# Altium PCB TwoFoot_PCB_m4T1Top2.PcbDoc (part 6 of 9) (continued)
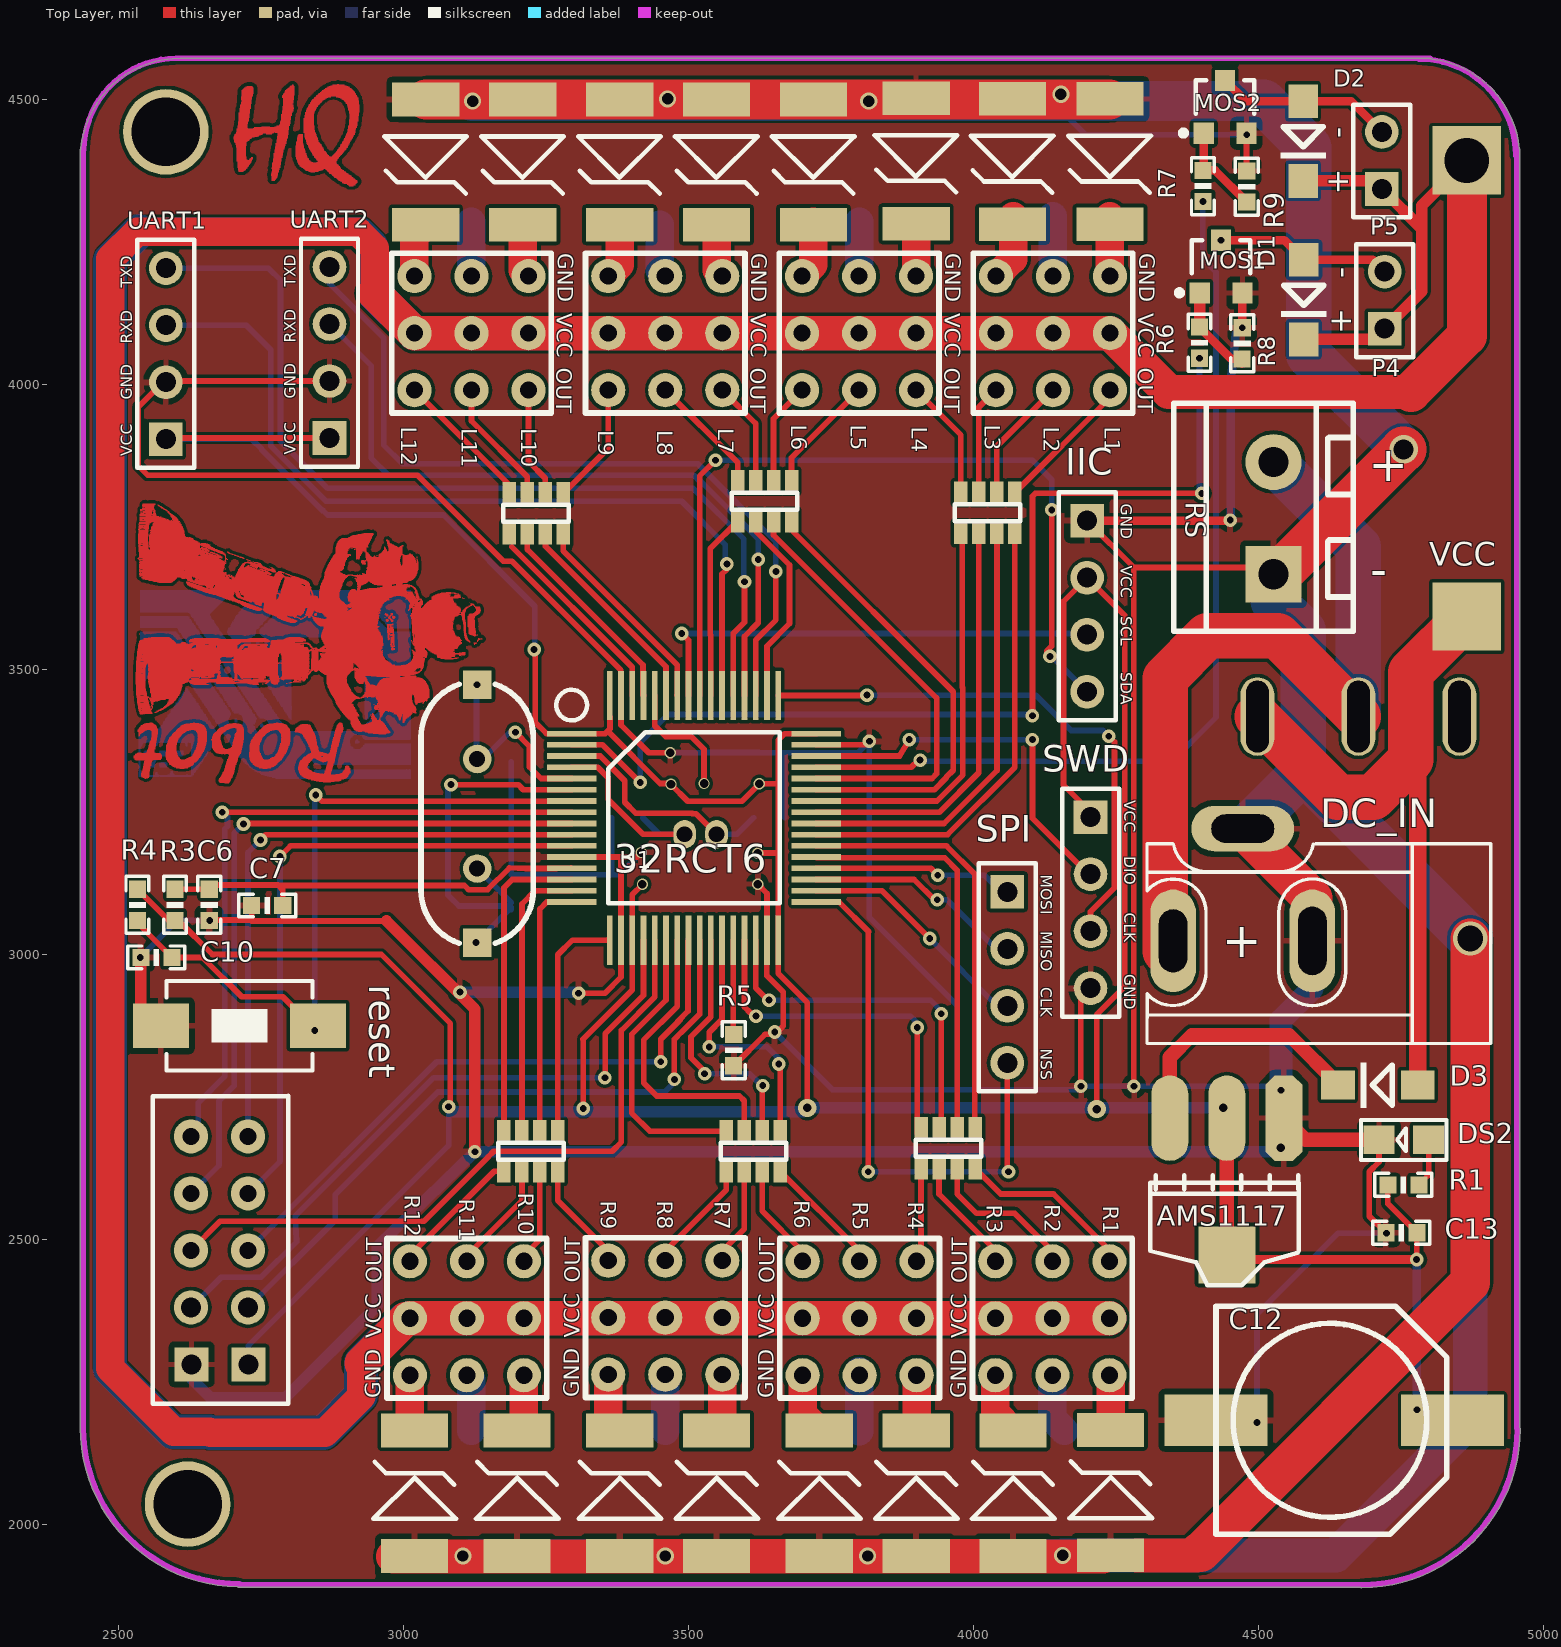
[diagram p0: Top Layer view]
## Nets (pads, with @x,y where several pads share a name; then routed paths per layer and width w, separated by ;. In a path a pad name is that pad's centre, name@x,y a point inside that pad or via, vN(x,y) a via of type N, cw(c..) or ccw(c..) an arc to the next point about the centre after c; other vN are vias at no path point) (continued)
3103.2,3551 ; 3103.2,3595.4 3103.2,3597.2 ; 3103.2,3597.8 3103.2,3600.8 ; 3103.8,3524.6 3103.8,3529.4 ; 3103.8,3593.6 3103.8,3594.2 ; 3103.8,3594.8 3103.8,3597.2 ; 3104.4,3524.6 3104.4,3529.4 ; 3104.4,3590.6 3104.4,3591.2 ; 3104.4,3593 3104.4,3601.4 ; 3104.4,3625.4 3104.4,3626 ; 3105,3524.6 3105,3530 ; 3105,3587.6 3105,3600.8 ; 3105,3625.4 3105,3626 ; 3105.6,3524.6 3105.6,3530 ; 3105.6,3584.6 3105.6,3603.8 ; 3105.6,3624.8 3105.6,3625.4 ; 3106.2,3525.2 3106.2,3530 ; 3106.2,3582.2 3106.2,3603.8 ; 3106.8,3525.2 3106.8,3530 ; 3106.8,3579.2 3106.8,3604.4 ; 3107.4,3525.2 3107.4,3530 ; 3107.4,3565.4 3107.4,3566 ; 3107.4,3567.8 3107.4,3605 ; 3107.4,3624.2 3107.4,3624.8 ; 3108,3525.2 3108,3530 ; 3108,3561.8 3108,3605.6 ; 3108.6,3525.8 3108.6,3530.6 ; 3108.6,3559.4 3108.6,3590.6 ; 3108.6,3596.6 3108.6,3606.2 ; 3109.2,3525.8 3109.2,3530 ; 3109.2,3555.8 3109.2,3584 ; 3109.2,3584.6 3109.2,3587 ; 3109.2,3600.8 3109.2,3604.4 ; 3109.2,3605 3109.2,3606.8 ; 3109.8,3554.6 3109.8,3582.8 ; 3109.8,3602.6 3109.8,3608 ; 3110.4,3553.4 3110.4,3563 ; 3110.4,3564.2 3110.4,3578 ; 3110.4,3604.4 3110.4,3608 ; 3111,3552.8 3111,3563.6 ; 3111,3605.6 3111,3608.6 ; 3111.6,3552.2 3111.6,3554.6 ; 3111.6,3555.2 3111.6,3560 ; 3111.6,3606.2 3111.6,3609.2 ; 3112.2,3551.6 3112.2,3553.4 ; 3112.2,3554.6 3112.2,3557.6 ; 3112.2,3607.4 3112.2,3609.2 ; 3112.8,3550.4 3112.8,3555.8 ; 3112.8,3608 3112.8,3609.8 ; 3113.4,3550.4 3113.4,3555.2 ; 3113.4,3608.6 3113.4,3609.8 ; 3114,3549.8 3114,3553.4 ; 3114,3608.6 3114,3610.4 ; 3114.6,3549.2 3114.6,3552.2 ; 3114.6,3575 3114.6,3593 ; 3114.6,3609.2 3114.6,3610.4 ; 3115.2,3549.2 3115.2,3551.6 ; 3115.2,3573.8 3115.2,3593 ; 3115.2,3609.8 3115.2,3610.4 ; 3115.8,3548.6 3115.8,3551 ; 3115.8,3562.4 3115.8,3564.2 ; 3115.8,3569.6 3115.8,3594.8 ; 3115.8,3609.8 3115.8,3611 ; 3116.4,3548.6 3116.4,3549.8 ; 3116.4,3562.4 3116.4,3596 ; 3116.4,3610.4 3116.4,3611.6 ; 3117,3548 3117,3549.2 ; 3117,3563 3117,3596.6 ; 3117,3610.4 3117,3611.6 ; 3117,3617.6 3117,3618.2 ; 3117.6,3548 3117.6,3548.6 ; 3117.6,3560.6 3117.6,3579.8 ; 3117.6,3580.4 3117.6,3597.8 ; 3117.6,3611 3117.6,3611.6 ; 3118.2,3562.4 3118.2,3597.2 ; 3118.2,3611 3118.2,3612.2 ; 3118.8,3561.2 3118.8,3597.2 ; 3118.8,3611.6 3118.8,3612.8 ; 3118.8,3615.8 3118.8,3616.4 ; 3119.4,3560.6 3119.4,3597.8 ; 3119.4,3611.6 3119.4,3613.4 ; 3119.4,3614.6 3119.4,3615.8 ; 3120,3560.6 3120,3597.8 ; 3120,3612.2 3120,3615.2 ; 3120.6,3560.6 3120.6,3597.8 ; 3120.6,3612.2 3120.6,3615.2 ; 3121.2,3560 3121.2,3560.6 ; 3121.2,3561.2 3121.2,3597.8 ; 3121.2,3612.8 3121.2,3615.2 ; 3121.8,3560 3121.8,3597.8 ; 3121.8,3612.8 3121.8,3615.2 ; 3122.4,3560 3122.4,3597.8 ; 3122.4,3613.4 3122.4,3615.2 ; 3123,3560 3123,3597.8 ; 3123,3613.4 3123,3615.2 ; 3123.6,3560 3123.6,3597.8 ; 3123.6,3614 3123.6,3614.6 ; 3124.2,3559.4 3124.2,3563.6 ; 3124.2,3564.2 3124.2,3598.4 ; 3124.2,3612.8 3124.2,3613.4 ; 3124.8,3546.2 3124.8,3546.8 ; 3124.8,3559.4 3124.8,3561.2 ; 3124.8,3561.8 3124.8,3564.8 ; 3124.8,3565.4 3124.8,3599 ; 3124.8,3612.2 3124.8,3613.4 ; 3125.4,3543.8 3125.4,3545 ; 3125.4,3546.2 3125.4,3546.8 ; 3125.4,3558.2 3125.4,3586.4 ; 3125.4,3591.2 3125.4,3599 ; 3125.4,3611 3125.4,3612.2 ; 3126,3544.4 3126,3546.8 ; 3126,3558.2 3126,3575 ; 3126,3576.2 3126,3581.6 ; 3126,3593 3126,3599.6 ; 3126,3610.4 3126,3611.6 ; 3126.6,3545 3126.6,3546.8 ; 3126.6,3558.2 3126.6,3560.6 ; 3126.6,3561.2 3126.6,3562.4 ; 3126.6,3563.6 3126.6,3572.6 ; 3126.6,3593.6 3126.6,3600.2 ; 3126.6,3609.8 3126.6,3611 ; 3127.2,3545.6 3127.2,3546.8 ; 3127.2,3558.8 3127.2,3560.6 ; 3127.2,3561.2 3127.2,3562.4 ; 3127.2,3564.2 3127.2,3567.8 ; 3127.2,3594.2 3127.2,3600.8 ; 3127.2,3608.6 3127.2,3609.8 ; 3127.8,3545.6 3127.8,3546.2 ; 3127.8,3558.8 3127.8,3560.6 ; 3127.8,3561.2 3127.8,3562.4 ; 3127.8,3564.2 3127.8,3566.6 ; 3127.8,3594.2 3127.8,3601.4 ; 3127.8,3608 3127.8,3609.8 ; 3128.4,3545.6 3128.4,3546.2 ; 3128.4,3558.8 3128.4,3560 ; 3128.4,3560.6 3128.4,3561.2 ; 3128.4,3594.8 3128.4,3602 ; 3128.4,3606.8 3128.4,3609.8 ; 3129,3595.4 3129,3602.6 ; 3129,3606.8 3129,3609.8 ; 3129.6,3546.2 3129.6,3546.8 ; 3129.6,3595.4 3129.6,3605.6 ; 3129.6,3606.8 3129.6,3609.8 ; 3130.2,3596 3130.2,3609.8 ; 3130.8,3548.6 3130.8,3549.2 ; 3130.8,3596 3130.8,3609.8 ; 3131.4,3548.6 3131.4,3551 ; 3131.4,3560 3131.4,3560.6 ; 3131.4,3596.6 3131.4,3597.2 ; 3131.4,3597.8 3131.4,3609.8 ; 3132,3550.4 3132,3552.2 ; 3132,3597.2 3132,3609.8 ; 3132.6,3551 3132.6,3554 ; 3132.6,3597.8 3132.6,3609.8 ; 3133.2,3552.2 3133.2,3554.6 ; 3133.2,3598.4 3133.2,3609.8 ; 3133.8,3552.8 3133.8,3554.6 ; 3133.8,3598.4 3133.8,3600.8 ; 3133.8,3602 3133.8,3609.8 ; 3134.4,3552.2 3134.4,3554 ; 3134.4,3599 3134.4,3609.8 ; 3135,3552.8 3135,3554 ; 3135,3600.2 3135,3608.6 ; 3135.6,3552.8 3135.6,3554 ; 3135.6,3603.2 3135.6,3607.4 ; 3136.2,3552.8 3136.2,3554 ; 3136.2,3603.2 3136.2,3604.4 ; 3136.8,3552.8 3136.8,3554 ; 3136.8,3554.6 3136.8,3555.2 ; 3137.4,3552.8 3137.4,3554 ; 3137.4,3554.6 3137.4,3555.2 ; 3138,3552.8 3138,3554 ; 3138.6,3552.8 3138.6,3554 ; 3139.2,3552.8 3139.2,3554
  Top Layer w1: 2528,3345 2577,3345 ; 2528,3346 2577,3346 ; 2528,3347 2577,3347 ; 2528,3348 2577,3348 ; 2528,3349 2577,3349 ; 2529,3343 2575,3343 ; 2529,3344 2576,3344 ; 2529,3350 2577,3350 ; 2530,3351 2576,3351 ; 2531,3342 2562,3342 ; 2531,3352 2575,3352 ; 2534,3353 2574,3353 ; 2535,3354 2541,3354 ; 2535,3392 2546,3392 ; 2535,3393 2548,3393 ; 2535,3394 2550,3394 ; 2536,3384 2537,3384 ; 2536,3385 2538,3385 ; 2536,3386 2538,3386 ; 2536,3387 2539,3387 ; 2536,3388 2540,3388 ; 2536,3389 2542,3389 ; 2536,3390 2543,3390 ; 2536,3391 2544,3391 ; 2536,3395 2570,3395 ; 2536,3396 2569,3396 ; 2537,3397 2569,3397 ; 2537,3398 2568,3398 ; 2538,3399 2568,3399 ; 2539,3400 2568,3400 ; 2540,3401 2567,3401 ; 2541,3314 2555,3314 ; 2541,3315 2555,3315 ; 2541,3316 2555,3316 ; 2541,3317 2555,3317 ; 2541,3318 2555,3318 ; 2541,3402 2566,3402 ; 2542,3312 2554,3312 ; 2542,3313 2555,3313 ; 2542,3319 2555,3319 ; 2542,3320 2555,3320 ; 2542,3321 2555,3321 ; 2542,3322 2556,3322 ; 2543,3323 2556,3323 ; 2543,3324 2556,3324 ; 2543,3325 2556,3325 ; 2543,3326 2556,3326 ; 2543,3403 2565,3403 ; 2544,3311 2554,3311 ; 2544,3327 2557,3327 ; 2544,3328 2557,3328 ; 2544,3329 2557,3329 ; 2544,3330 2557,3330 ; 2544,3404 2564,3404 ; 2545,3331 2557,3331 ; 2545,3332 2558,3332 ; 2545,3333 2558,3333 ; 2545,3334 2558,3334 ; 2545,3335 2558,3335 ; 2546,3310 2552,3310 ; 2546,3336 2558,3336 ; 2546,3337 2558,3337 ; 2546,3338 2559,3338 ; 2546,3339 2559,3339 ; 2546,3405 2563,3405 ; 2547,3340 2560,3340 ; 2547,3341 2560,3341 ; 2548,3309 2549,3309 ; 2549,3354 2565,3354 ; 2549,3406 2561,3406 ; 2550,3355 2564,3355 ; 2550,3356 2564,3356 ; 2551,3357 2564,3357 ; 2551,3358 2564,3358 ; 2552,3359 2564,3359 ; 2552,3360 2564,3360 ; 2553,3361 2565,3361 ; 2553,3362 2565,3362 ; 2553,3363 2565,3363 ; 2554,3364 2565,3364 ; 2554,3365 2565,3365 ; 2554,3366 2566,3366 ; 2554,3367 2566,3367 ; 2555,3368 2566,3368 ; 2555,3369 2566,3369 ; 2555,3370 2566,3370 ; 2556,3371 2566,3371 ; 2556,3372 2567,3372 ; 2556,3373 2567,3373 ; 2556,3407 2558,3407 ; 2557,3374 2567,3374 ; 2557,3375 2567,3375 ; 2557,3394 2570,3394 ; 2558,3376 2567,3376 ; 2558,3377 2568,3377 ; 2558,3378 2568,3378 ; 2558,3379 2568,3379 ; 2558,3380 2568,3380 ; 2558,3393 2570,3393 ; 2559,3381 2568,3381 ; 2559,3382 2569,3382 ; 2559,3383 2569,3383 ; 2559,3384 2569,3384 ; 2559,3385 2569,3385 ; 2559,3386 2569,3386 ; 2559,3387 2570,3387 ; 2559,3388 2570,3388 ; 2559,3389 2570,3389 ; 2559,3390 2570,3390 ; 2559,3391 2570,3391 ; 2559,3392 2570,3392 ; 2559,3407 2560,3407 ; 2584,3347 2606,3347 ; 2584,3348 2606,3348 ; 2584,3349 2605,3349 ; 2584,3350 2605,3350 ; 2584,3351 2604,3351 ; 2584,3352 2604,3352 ; 2584,3353 2604,3353 ; 2584,3354 2603,3354 ; 2584,3355 2603,3355 ; 2585,3343 2610,3343 ; 2585,3344 2608,3344 ; 2585,3345 2607,3345 ; 2585,3346 2607,3346 ; 2585,3356 2603,3356 ; 2585,3357 2602,3357 ; 2585,3358 2602,3358 ; 2585,3359 2602,3359 ; 2585,3360 2602,3360 ; 2585,3361 2602,3361 ; 2585,3362 2602,3362 ; 2585,3363 2602,3363 ; 2585,3364 2602,3364 ; 2585,3365 2602,3365 ; 2585,3366 2602,3366 ; 2585,3367 2602,3367 ; 2585,3368 2602,3368 ; 2586,3341 2639,3341 ; 2586,3342 2612,3342 ; 2586,3369 2603,3369 ; 2586,3370 2603,3370 ; 2586,3371 2603,3371 ; 2587,3339 2637,3339 ; 2587,3340 2638,3340 ; 2587,3372 2603,3372 ; 2587,3373 2604,3373 ; 2587,3374 2604,3374 ; 2588,3338 2636,3338 ; 2588,3375 2605,3375 ; 2588,3376 2605,3376 ; 2589,3337 2634,3337 ; 2589,3377 2605,3377 ; 2589,3378 2606,3378 ; 2590,3335 2633,3335 ; 2590,3336 2633,3336 ; 2590,3379 2606,3379 ; 2590,3380 2607,3380 ; 2591,3334 2632,3334 ; 2591,3381 2607,3381 ; 2592,3382 2608,3382 ; 2593,3333 2631,3333 ; 2593,3383 2609,3383 ; 2594,3332 2630,3332 ; 2594,3384 2610,3384 ; 2594,3385 2611,3385 ; 2595,3331 2628,3331 ; 2595,3386 2612,3386 ; 2596,3387 2613,3387 ; 2597,3330 2627,3330 ; 2597,3388 2614,3388 ; 2598,3389 2615,3389 ; 2599,3329 2625,3329 ; 2599,3390 2617,3390 ; 2600,3391 2618,3391 ; 2601,3392 2620,3392 ; 2602,3328 2622,3328 ; 2602,3393 2624,3393 ; 2603,3394 2628,3394 ; 2604,3395 2655,3395 ; 2605,3396 2654,3396 ; 2606,3397 2654,3397 ; 2607,3398 2653,3398 ; 2608,3327 2616,3327 ; 2608,3399 2653,3399 ; 2609,3400 2652,3400 ; 2610,3401 2651,3401 ; 2612,3402 2650,3402 ; 2613,3342 2640,3342 ; 2614,3403 2649,3403 ; 2616,3404 2647,3404 ; 2618,3343 2641,3343 ; 2619,3405 2645,3405 ; 2621,3344 2642,3344 ; 2623,3345 2642,3345 ; 2625,3346 2643,3346 ; 2627,3406 2642,3406 ; 2628,3347 2644,3347 ; 2629,3348 2644,3348 ; 2630,3349 2645,3349 ; 2631,3350 2646,3350 ; 2631,3351 2646,3351 ; 2632,3352 2647,3352 ; 2632,3407 2635,3407 ; 2633,3353 2648,3353 ; 2633,3354 2648,3354 ; 2634,3355 2649,3355 ; 2634,3356 2649,3356 ; 2634,3394 2655,3394 ; 2635,3357 2650,3357 ; 2635,3358 2650,3358 ; 2636,3359 2651,3359 ; 2636,3360 2651,3360 ; 2636,3361 2652,3361 ; 2636,3393 2655,3393 ; 2637,3362 2652,3362 ; 2637,3363 2652,3363 ; 2637,3364 2653,3364 ; 2637,3392 2656,3392 ; 2638,3365 2653,3365 ; 2638,3366 2653,3366 ; 2638,3367 2654,3367 ; 2638,3391 2656,3391 ; 2639,3368 2654,3368 ; 2639,3369 2654,3369 ; 2639,3370 2655,3370 ; 2639,3371 2655,3371 ; 2639,3389 2656,3389 ; 2639,3390 2656,3390 ; 2640,3372 2655,3372 ; 2640,3373 2655,3373 ; 2640,3374 2656,3374 ; 2640,3375 2656,3375 ; 2640,3376 2656,3376 ; 2640,3377 2656,3377 ; 2640,3378 2656,3378 ; 2640,3379 2656,3379 ; 2640,3380 2656,3380 ; 2640,3383 2656,3383 ; 2640,3384 2656,3384 ; 2640,3385 2656,3385 ; 2640,3386 2656,3386 ; 2640,3387 2656,3387 ; 2640,3388 2656,3388 ; 2641,3381 2656,3381 ; 2641,3382 2656,3382 ; 2664,3377 2679,3377 ; 2664,3378 2679,3378 ; 2665,3364 2684,3364 ; 2665,3365 2684,3365 ; 2665,3366 2683,3366 ; 2665,3367 2683,3367 ; 2665,3368 2682,3368 ; 2665,3369 2682,3369 ; 2665,3370 2682,3370 ; 2665,3371 2681,3371 ; 2665,3372 2681,3372 ; 2665,3373 2681,3373 ; 2665,3374 2680,3374 ; 2665,3375 2680,3375 ; 2665,3376 2680,3376 ; 2665,3379 2679,3379 ; 2665,3380 2679,3380 ; 2665,3381 2679,3381 ; 2665,3382 2679,3382 ; 2666,3362 2686,3362 ; 2666,3363 2685,3363 ; 2666,3383 2679,3383 ; 2666,3384 2680,3384 ; 2667,3360 2717,3360 ; 2667,3361 2687,3361 ; 2667,3385 2680,3385 ; 2667,3386 2681,3386 ; 2668,3359 2716,3359 ; 2668,3387 2682,3387 ; 2669,3358 2716,3358 ; 2669,3388 2683,3388 ; 2670,3357 2716,3357 ; 2670,3389 2684,3389 ; 2671,3356 2716,3356 ; 2671,3390 2685,3390 ; 2672,3355 2715,3355 ; 2672,3391 2686,3391 ; 2673,3354 2715,3354 ; 2673,3392 2688,3392 ; 2674,3393 2689,3393 ; 2675,3394 2691,3394 ; 2676,3395 2693,3395 ; 2677,3305 2697,3305 ; 2677,3306 2697,3306 ; 2677,3307 2698,3307 ; 2677,3353 2715,3353 ; 2677,3396 2695,3396 ; 2678,3303 2695,3303 ; 2678,3304 2696,3304 ; 2678,3308 2698,3308 ; 2678,3309 2699,3309 ; 2678,3397 2697,3397 ; 2679,3302 2695,3302 ; 2679,3310 2699,3310 ; 2679,3311 2700,3311 ; 2679,3398 2700,3398 ; 2680,3312 2700,3312 ; 2681,3313 2700,3313 ; 2681,3314 2701,3314 ; 2681,3399 2720,3399 ; 2682,3315 2701,3315 ; 2682,3352 2683,3352 ; 2683,3316 2702,3316 ; 2683,3317 2702,3317 ; 2684,3318 2703,3318 ; 2684,3319 2703,3319 ; 2684,3320 2703,3320 ; 2684,3400 2719,3400 ; 2685,3321 2704,3321 ; 2686,3322 2704,3322 ; 2686,3323 2704,3323 ; 2686,3324 2704,3324 ; 2686,3352 2688,3352 ; 2686,3401 2718,3401 ; 2687,3301 2694,3301 ; 2687,3325 2705,3325 ; 2687,3326 2705,3326 ; 2687,3327 2705,3327 ; 2688,3328 2705,3328 ; 2688,3329 2706,3329 ; 2688,3330 2706,3330 ; 2688,3331 2706,3331 ; 2688,3402 2718,3402 ; 2689,3332 2706,3332 ; 2689,3333 2706,3333 ; 2690,3334 2707,3334 ; 2690,3335 2707,3335 ; 2690,3336 2707,3336 ; 2690,3403 2717,3403 ; 2691,3337 2708,3337 ; 2691,3338 2708,3338 ; 2691,3339 2709,3339 ; 2692,3340 2709,3340 ; 2692,3341 2709,3341 ; 2692,3342 2710,3342 ; 2692,3343 2710,3343 ; 2692,3404 2715,3404 ; 2693,3344 2710,3344 ; 2693,3345 2710,3345 ; 2693,3352 2714,3352 ; 2693,3361 2717,3361 ; 2694,3346 2711,3346 ; 2694,3347 2711,3347 ; 2694,3348 2711,3348 ; 2695,3349 2712,3349 ; 2695,3350 2713,3350 ; 2695,3351 2714,3351 ; 2695,3405 2713,3405 ; 2696,3362 2717,3362 ; 2698,3363 2717,3363 ; 2699,3364 2718,3364 ; 2700,3365 2718,3365 ; 2700,3366 2718,3366 ; 2700,3367 2718,3367 ; 2701,3368 2719,3368 ; 2701,3369 2719,3369 ; 2701,3370 2719,3370 ; 2701,3371 2719,3371 ; 2701,3372 2720,3372 ; 2701,3406 2707,3406 ; 2702,3373 2720,3373 ; 2702,3374 2720,3374 ; 2702,3375 2720,3375 ; 2703,3376 2720,3376 ; 2703,3377 2720,3377 ; 2703,3378 2721,3378 ; 2704,3379 2721,3379 ; 2704,3380 2721,3380 ; 2704,3381 2721,3381 ; 2705,3382 2721,3382 ; 2705,3383 2721,3383 ; 2705,3384 2721,3384 ; 2705,3385 2721,3385 ; 2705,3386 2721,3386 ; 2706,3387 2721,3387 ; 2706,3388 2721,3388 ; 2706,3398 2720,3398 ; 2707,3389 2721,3389 ; 2707,3390 2721,3390 ; 2708,3391 2721,3391 ; 2708,3392 2721,3392 ; 2708,3393 2721,3393 ; 2708,3394 2721,3394 ; 2708,3395 2721,3395 ; 2708,3396 2721,3396 ; 2708,3397 2720,3397 ; 2730,3347 2752,3347 ; 2730,3348 2752,3348 ; 2730,3349 2751,3349 ; 2730,3350 2751,3350 ; 2730,3351 2750,3351 ; 2730,3352 2750,3352 ; 2730,3353 2750,3353 ; 2730,3354 2749,3354 ; 2730,3355 2749,3355 ; 2731,3343 2756,3343 ; 2731,3344 2754,3344 ; 2731,3345 2753,3345 ; 2731,3346 2753,3346 ; 2731,3356 2749,3356 ; 2731,3357 2748,3357 ; 2731,3358 2748,3358 ; 2731,3359 2748,3359 ; 2731,3360 2748,3360 ; 2731,3361 2748,3361 ; 2731,3362 2748,3362 ; 2731,3363 2748,3363 ; 2731,3364 2748,3364 ; 2731,3365 2748,3365 ; 2731,3366 2748,3366 ; 2731,3367 2748,3367 ; 2731,3368 2748,3368 ; 2732,3341 2785,3341 ; 2732,3342 2758,3342 ; 2732,3369 2749,3369 ; 2732,3370 2749,3370 ; 2732,3371 2749,3371 ; 2733,3339 2783,3339 ; 2733,3340 2784,3340 ; 2733,3372 2749,3372 ; 2733,3373 2750,3373 ; 2733,3374 2750,3374 ; 2734,3338 2782,3338 ; 2734,3375 2751,3375 ; 2734,3376 2751,3376 ; 2735,3337 2780,3337 ; 2735,3377 2751,3377 ; 2735,3378 2752,3378 ; 2736,3335 2779,3335 ; 2736,3336 2779,3336 ; 2736,3379 2752,3379 ; 2736,3380 2753,3380 ; 2737,3334 2778,3334 ; 2737,3381 2753,3381 ; 2738,3382 2754,3382 ; 2739,3333 2777,3333 ; 2739,3383 2755,3383 ; 2740,3332 2776,3332 ; 2740,3384 2756,3384 ; 2740,3385 2757,3385 ; 2741,3331 2774,3331 ; 2741,3386 2758,3386 ; 2742,3387 2759,3387 ; 2743,3330 2773,3330 ; 2743,3388 2760,3388 ; 2744,3389 2761,3389 ; 2745,3329 2771,3329 ; 2745,3390 2763,3390 ; 2746,3391 2764,3391 ; 2747,3392 2766,3392 ; 2748,3328 2768,3328 ; 2748,3393 2770,3393 ; 2749,3394 2774,3394 ; 2750,3395 2801,3395 ; 2751,3396 2800,3396 ; 2752,3397 2800,3397 ; 2753,3398 2799,3398 ; 2754,3327 2762,3327 ; 2754,3399 2799,3399 ; 2755,3400 2798,3400 ; 2756,3401 2797,3401 ; 2758,3402 2796,3402 ; 2759,3342 2786,3342 ; 2760,3403 2795,3403 ; 2762,3404 2793,3404 ; 2764,3343 2787,3343 ; 2765,3405 2791,3405 ; 2767,3344 2788,3344 ; 2769,3345 2788,3345 ; 2771,3346 2789,3346 ; 2773,3406 2788,3406 ; 2774,3347 2790,3347 ; 2775,3348 2790,3348 ; 2776,3349 2791,3349 ; 2777,3350 2792,3350 ; 2777,3351 2792,3351 ; 2778,3352 2793,3352 ; 2778,3407 2781,3407 ; 2779,3353 2794,3353 ; 2779,3354 2794,3354 ; 2780,3355 2795,3355 ; 2780,3356 2795,3356 ; 2780,3394 2801,3394 ; 2781,3357 2796,3357 ; 2781,3358 2796,3358 ; 2782,3359 2797,3359 ; 2782,3360 2797,3360 ; 2782,3361 2798,3361 ; 2782,3393 2801,3393 ; 2783,3362 2798,3362 ; 2783,3363 2798,3363 ; 2783,3364 2799,3364 ; 2783,3392 2802,3392 ; 2784,3365 2799,3365 ; 2784,3366 2799,3366 ; 2784,3367 2800,3367 ; 2784,3391 2802,3391 ; 2785,3368 2800,3368 ; 2785,3369 2800,3369 ; 2785,3370 2801,3370 ; 2785,3371 2801,3371 ; 2785,3389 2802,3389 ; 2785,3390 2802,3390 ; 2786,3372 2801,3372 ; 2786,3373 2801,3373 ; 2786,3374 2802,3374 ; 2786,3375 2802,3375 ; 2786,3376 2802,3376 ; 2786,3377 2802,3377 ; 2786,3378 2802,3378 ; 2786,3379 2802,3379 ; 2786,3380 2802,3380 ; 2786,3383 2802,3383 ; 2786,3384 2802,3384 ; 2786,3385 2802,3385 ; 2786,3386 2802,3386 ; 2786,3387 2802,3387 ; 2786,3388 2802,3388 ; 2787,3381 2802,3381 ; 2787,3382 2802,3382 ; 2810,3392 2842,3392 ; 2811,3391 2843,3391 ; 2811,3393 2842,3393 ; 2811,3394 2842,3394 ; 2812,3395 2841,3395 ; 2812,3396 2840,3396 ; 2812,3397 2840,3397 ; 2813,3398 2839,3398 ; 2814,3399 2839,3399 ; 2815,3400 2838,3400 ; 2816,3325 2835,3325 ; 2816,3326 2834,3326 ; 2816,3327 2833,3327 ; 2816,3328 2832,3328 ; 2816,3329 2832,3329 ; 2817,3322 2840,3322 ; 2817,3323 2838,3323 ; 2817,3324 2836,3324 ; 2817,3330 2832,3330 ; 2817,3331 2832,3331 ; 2817,3332 2833,3332 ; 2817,3333 2833,3333 ; 2817,3390 2843,3390 ; 2817,3401 2838,3401 ; 2818,3320 2845,3320 ; 2818,3321 2842,3321 ; 2818,3334 2834,3334 ; 2818,3335 2834,3335 ; 2818,3336 2835,3336 ; 2819,3318 2853,3318 ; 2819,3319 2848,3319 ; 2819,3337 2836,3337 ; 2819,3338 2836,3338 ; 2819,3402 2837,3402 ; 2820,3316 2873,3316 ; 2820,3317 2859,3317 ; 2820,3339 2837,3339 ; 2820,3340 2838,3340 ; 2820,3389 2844,3389 ; 2820,3403 2836,3403 ; 2821,3315 2904,3315 ; 2821,3341 2839,3341 ; 2822,3314 2904,3314 ; 2822,3342 2840,3342 ; 2822,3388 2844,3388 ; 2822,3404 2833,3404 ; 2823,3343 2841,3343 ; 2823,3387 2845,3387 ; 2824,3313 2903,3313 ; 2824,3344 2842,3344 ; 2824,3386 2845,3386 ; 2825,3312 2902,3312 ; 2825,3345 2845,3345 ; 2825,3384 2846,3384 ; 2825,3385 2846,3385 ; 2826,3346 2881,3346 ; 2826,3382 2847,3382 ; 2826,3383 2846,3383 ; 2827,3311 2901,3311 ; 2827,3347 2857,3347 ; 2828,3379 2847,3379 ; 2828,3380 2847,3380 ; 2828,3381 2847,3381 ; 2829,3310 2900,3310 ; 2829,3348 2856,3348 ; 2829,3377 2848,3377 ; 2829,3378 2848,3378 ; 2830,3349 2856,3349 ; 2830,3375 2848,3375 ; 2830,3376 2848,3376 ; 2831,3309 2899,3309 ; 2831,3350 2882,3350 ; 2832,3372 2849,3372 ; 2832,3373 2849,3373 ; 2832,3374 2848,3374 ; 2833,3351 2868,3351 ; 2833,3371 2849,3371 ; 2834,3308 2896,3308 ; 2834,3369 2849,3369 ; 2834,3370 2849,3370 ; 2835,3352 2867,3352 ; 2835,3365 2850,3365 ; 2835,3366 2850,3366 ; 2835,3367 2849,3367 ; 2835,3368 2849,3368 ; 2836,3363 2851,3363 ; 2836,3364 2851,3364 ; 2837,3353 2865,3353 ; 2837,3361 2851,3361 ; 2837,3362 2850,3362 ; 2838,3358 2852,3358 ; 2838,3359 2851,3359 ; 2838,3360 2851,3360 ; 2839,3307 2892,3307 ; 2839,3354 2862,3354 ; 2839,3355 2859,3355 ; 2839,3356 2855,3356 ; 2839,3357 2852,3357 ; 2844,3306 2891,3306 ; 2846,3345 2881,3345 ; 2847,3344 2880,3344 ; 2848,3305 2888,3305 ; 2849,3343 2880,3343 ; 2851,3342 2880,3342 ; 2853,3304 2879,3304 ; 2853,3341 2867,3341 ; 2855,3340 2866,3340 ; 2857,3339 2864,3339 ; 2859,3338 2861,3338 ; 2859,3347 2881,3347 ; 2860,3303 2861,3303 ; 2860,3348 2881,3348 ; 2860,3349 2882,3349 ; 2861,3317 2873,3317 ; 2862,3303 2873,3303 ; 2862,3318 2873,3318 ; 2863,3319 2873,3319 ; 2863,3320 2873,3320 ; 2863,3321 2874,3321 ; 2863,3322 2874,3322 ; 2864,3323 2875,3323 ; 2864,3324 2875,3324 ; 2864,3325 2875,3325 ; 2864,3326 2876,3326 ; 2865,3327 2876,3327 ; 2865,3328 2876,3328 ; 2865,3329 2877,3329 ; 2866,3330 2877,3330 ; 2866,3331 2877,3331 ; 2866,3332 2878,3332 ; 2867,3333 2878,3333 ; 2867,3334 2878,3334 ; 2867,3335 2878,3335 ; 2868,3336 2879,3336 ; 2868,3337 2879,3337 ; 2868,3338 2879,3338 ; 2868,3339 2879,3339 ; 2868,3340 2880,3340 ; 2869,3341 2880,3341 ; 2869,3351 2882,3351 ; 2870,3352 2882,3352 ; 2870,3353 2883,3353 ; 2871,3354 2883,3354 ; 2871,3355 2883,3355 ; 2872,3356 2883,3356 ; 2872,3357 2884,3357 ; 2872,3358 2884,3358 ; 2873,3359 2884,3359 ; 2873,3360 2884,3360 ; 2873,3361 2885,3361 ; 2873,3362 2885,3362 ; 2874,3363 2885,3363 ; 2874,3364 2885,3364 ; 2874,3365 2886,3365 ; 2874,3366 2886,3366 ; 2874,3367 2886,3367 ; 2875,3368 2887,3368 ; 2875,3369 2887,3369 ; 2875,3370 2887,3370 ; 2876,3371 2887,3371 ; 2876,3372 2888,3372 ; 2876,3373 2888,3373 ; 2876,3374 2888,3374 ; 2877,3375 2889,3375 ; 2877,3376 2889,3376 ; 2877,3377 2889,3377 ; 2877,3378 2889,3378 ; 2878,3379 2890,3379 ; 2878,3380 2890,3380 ; 2878,3381 2890,3381 ; 2879,3382 2890,3382 ; 2879,3383 2891,3383 ; 2879,3384 2891,3384 ; 2879,3385 2891,3385 ; 2879,3386 2892,3386 ; 2880,3387 2892,3387 ; 2880,3388 2892,3388 ; 2880,3389 2892,3389 ; 2880,3390 2893,3390 ; 2881,3391 2893,3391 ; 2881,3392 2894,3392 ; 2881,3393 2894,3393 ; 2882,3316 2905,3316 ; 2882,3394 2894,3394 ; 2882,3395 2895,3395 ; 2882,3396 2895,3396 ; 2883,3397 2895,3397 ; 2883,3398 2895,3398 ; 2884,3399 2895,3399 ; 2884,3400 2894,3400 ; 2884,3401 2894,3401 ; 2885,3402 2894,3402 ; 2885,3403 2894,3403 ; 2886,3404 2893,3404 ; 2886,3405 2893,3405 ; 2887,3406 2893,3406 ; 2888,3407 2892,3407 ; 2889,3317 2906,3317 ; 2891,3318 2906,3318 ; 2893,3319 2907,3319 ; 2894,3320 2907,3320 ; 2894,3321 2908,3321 ; 2895,3322 2907,3322 ; 2897,3323 2907,3323 ; 2898,3324 2907,3324 ; 2898,3325 2907,3325 ; 2898,3326 2907,3326 ; 2899,3327 2907,3327 ; 2899,3328 2906,3328 ; 2899,3329 2906,3329 ; 2899,3330 2905,3330 ; 2900,3331 2904,3331